# Altium PCB XMS0004.PcbDoc (part 3 of 5) (continued)
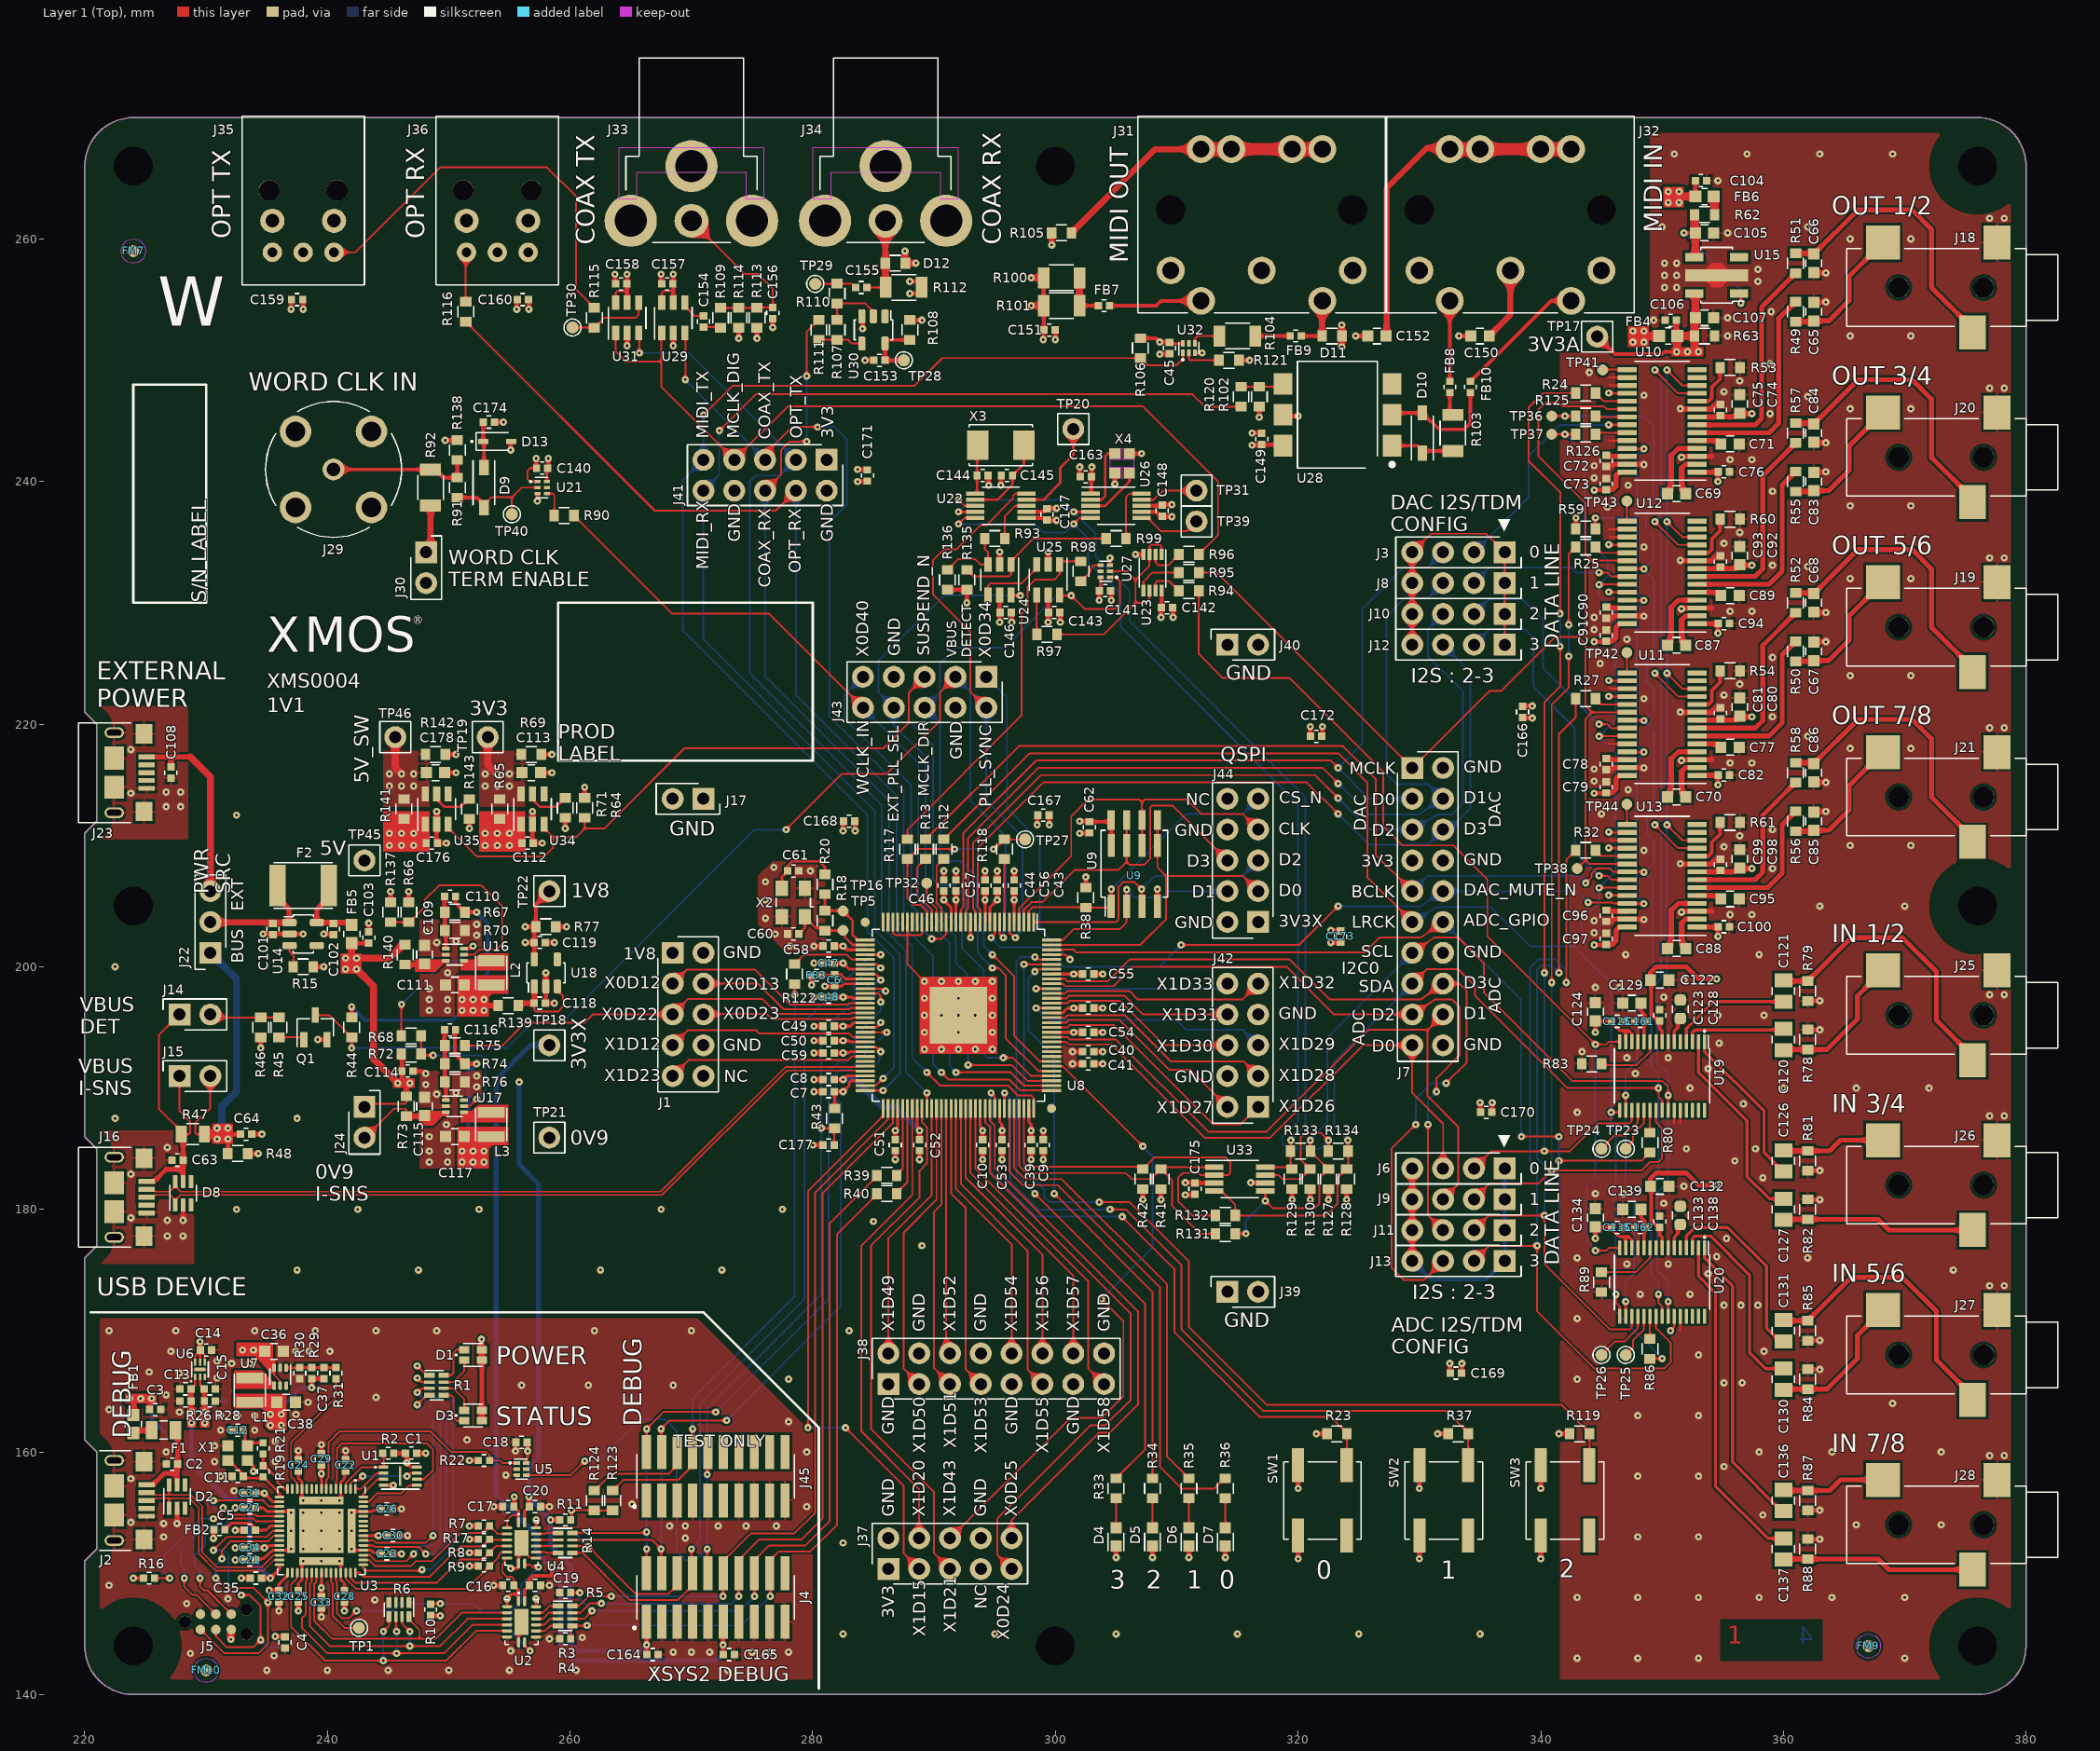
[diagram p0: Layer 1 (Top) view]
## Nets (pads, with @x,y where several pads share a name; then routed paths per layer and width w, separated by ;. In a path a pad name is that pad's centre, name@x,y a point inside that pad or via, vN(x,y) a via of type N, cw(c..) or ccw(c..) an arc to the next point about the centre after c; other vN are vias at no path point) (continued)
  Layer 1 (Top) w0.4: v1(227.6,154.1) D2.2@227.6,155.36 ; v1(228.1,179.1) D8.2@228.1,180.36 ; U18.2@258,198.38 v1(258,199.5) ; v1(299.7,259.5) 299.7,260.455 R105.1@299.745,260.5 ; C96.2@345.4,203.74 345.84,203.74 346.025,203.925 U13.27@347.12,203.925 348.375,203.925 v1@348.4,203.9 ; C78.2@345.4,216.24 345.84,216.24 346.025,216.425 U11.27@347.12,216.425 348.375,216.425 v1@348.4,216.4 ; C90.2@345.4,228.74 345.84,228.74 346.025,228.925 U12.27@347.12,228.925 348.375,228.925 v1@348.4,228.9 ; C72.2@345.4,241.24 345.84,241.24 346.025,241.425 U10.27@347.12,241.425 348.375,241.425 v1@348.4,241.4 ; v1(351.5,208.5) 351.525,208.475 U13.9@352.88,208.475 354.075,208.475 354.4,208.8 ; v1(351.5,221) 351.525,220.975 U11.9@352.88,220.975 354.075,220.975 354.4,221.3 ; v1(351.5,233.5) 351.525,233.475 U12.9@352.88,233.475 354.075,233.475 354.4,233.8 ; v1(351.5,246) 351.525,245.975 U10.9@352.88,245.975 354.075,245.975 354.4,246.3 ; v1(351.6,204.5) 351.675,204.575 U13.3@352.83,204.575 ; v1(351.6,217) 351.675,217.075 U11.3@352.83,217.075 ; v1(351.6,229.5) 351.675,229.575 U12.3@352.83,229.575 ; v1(351.6,242) 351.675,242.075 U10.3@352.83,242.075 ; U13.3@352.88,204.575 354.075,204.575 354.1,204.6 ; U11.3@352.88,217.075 354.075,217.075 354.1,217.1 ; U12.3@352.88,229.575 354.075,229.575 354.1,229.6 ; U10.3@352.88,242.075 354.075,242.075 354.1,242.1 ; C85.2@362.5,212.755 362.545,212.8 v1(363.5,212.8) ; C86.2@362.5,215.245 362.545,215.2 v1(363.5,215.2) ; C67.2@362.5,226.755 362.545,226.8 v1(363.5,226.8) ; C68.2@362.5,229.245 362.545,229.2 v1(363.5,229.2) ; C83.2@362.5,240.755 362.545,240.8 v1(363.5,240.8) ; C84.2@362.5,243.245 362.545,243.2 v1(363.5,243.2) ; C65.2@362.5,254.755 362.545,254.8 v1(363.5,254.8) ; C66.2@362.5,257.245 362.545,257.2 v1(363.5,257.2)
  Layer 1 (Top) w0.5: U35.2@249,211.745 v1(249,212.8) ; U34.2@256.9,211.745 v1(256.9,212.8) ; v1(287.6,259) 287.6,258.02 D12.1@287.62,258 v1(288.5,258) ; v1(323.6,251.1) D11.1@323.6,251.98 ; v1(323.6,252.9) 323.6,252.02 D11.1@323.62,252
  Layer 4 (Bottom) w0.3: v1@289.18,193.18 v1(289.2,193.2)
  other v1: 235,142 240,142 245,142 250,142 255,142 260.5,142 267,142 273,142 343,143 348,143 353,143 370,143 235.6,143.2 228.7,143.4 268.5,143.5 270,143.5 271.5,143.5 275,143.5 276.5,143.5 278,143.5 255.1,143.6 258.3,144.6 261,144.7 282.5,145 295,145 305,145 315,145 325,145 335,145 228.4,147.5 243.9,147.8 231.8,147.9 343,148 348,148 353,148 358,148 364,148 370,148 222,149 258.3,149 238,152 239.5,152 241,152 282.5,152.5 269.5,152.9 226.5,153 348,153 353,153 238,153.5 239.5,153.5 241,153.5 268.2,153.9 269.5,153.9 272.2,153.9 274.5,153.9 277,153.9 366,154 373,154 226.5,154.1 223.8,154.2 358.3,154.8 238,155 239.5,155 241,155 279.5,155.5 265.1,155.7 232.3,156.8 223.8,157.8 231.2,158 348,158 353,158 254.7,158.1 355.1,158.8 230.7,159.2 235.7,159.2 377,159.7 378.2,159.7 226.7,160 279.5,160 358,160 364,160 373,160 230.7,160.5 235.7,160.9 251.5,161 231.2,161.8 234,161.8 278,162.5 231.2,163 232.6,163 234,163 348,163 353,163 237.4,163.1 227.8,163.3 222,163.5 369,164 238.4,164.1 244,164.5 226.7,164.7 256,165.5 261.5,165.5 268.5,165.5 355.1,165.7 356.6,165.7 278,166 343,166 230.9,166.1 227.8,166.5 225.3,166.6 232.1,167.3 233.6,167.3 230.9,167.5 353,168 227.1,168.3 237.4,168.3 238.5,168.3 240.2,168.3 358.4,168.3 222,170 227.5,170 234,170 239,170 244,170 249,170 262,170 270,170 283,170 343,171 355.1,172.1 356.5,172.1 357.9,172.1 348.2,173 352.3,173 377,173.7 378.2,173.7 353.8,174.7 237.5,175 247.5,175 262.5,175 272.5,175 374,175 347.1,175.5 350.5,175.5 343,176 362,176 354.5,176.1 289,177 355.3,177.6 226.8,177.8 228.1,177.8 285,179 226.8,179.1 223.8,179.3 232.5,180 242.5,180 252.5,180 267.5,180 277.5,180 350.135,180.495 344.5,181.3 346.8,181.3 351.8,181.9 358.3,182.6 223.8,182.9 248.4,183.9 249.9,183.9 356,184 248.4,184.8 249.9,184.8 352,185 357.7,185 226.8,185.1 248.4,186 249.8,187 222.5,187.5 237.5,187.5 377,187.7 378.2,187.7 343,188 356.7,188.7 249,189.5 250.6,189.6 352.3,190 360,190 366,190 372,190 252.3,190.1 248.1,190.3 252.3,191 347.8,191.2 353.8,191.6 347.1,192.5 350.5,192.5 343.4,193 290.6,193.2 292,193.2 293.4,193.2 294.8,193.2 354.7,193.7 289.2,194.6 292,194.6 294.8,194.6 289.2,196 290.6,196 292,196 293.4,196 294.8,196 354.6,196 358.4,196 248.4,196.4 249.9,196.4 248.4,197.3 249.9,197.3 289.2,197.4 292,197.4 294.8,197.4 350.135,197.495 377,197.7 378.2,197.7 248.4,198.2 344.5,198.3 346.5,198.3 290.6,198.8 292,198.8 293.4,198.8 294.8,198.8 351.8,198.9 249.9,199.5 222.5,200 347,201 358,201 278.1,201.7 249,202 250.6,202.1 252.3,202.6 276.9,202.7 344.4,202.8 248.1,202.9 252.3,203.5 344.4,203.8 348.5,203.9 276.1,204 355.6,204.3 357.4,204.3 363,205 370,205 276.1,205.5 276.1,207 279.8,207.9 359.1,208.1 276.8,208.2 348.5,209.6 355.1,209.9 365.5,210 370.5,210 356.4,210.8 359.1,211.3 232.5,212.5 345,212.6 226.7,213.2 227.9,213.2 223.8,214.3 226.7,214.4 227.9,214.4 347.2,214.6 344.4,215.3 344.4,216.3 348.5,216.4 355.6,216.8 357.4,216.8 223.8,217.9 365.5,218 370.5,218 362,219 377,219.7 378.2,219.7 359.1,220.6 348.5,222.1 355.1,222.4 356.4,223.3 365.5,224 370.5,224 344.9,225 359.1,225.5 347.1,227 344.4,227.8 344.4,228.8 348.5,228.9 355.6,229.3 357.4,229.3 365.5,232 370.5,232 362,233 359.1,233.1 377,233.7 378.2,233.7 348.5,234.6 355.1,234.9 356.4,235.8 345.5,237.9 365.5,238 370.5,238 359.1,239.2 347.2,239.7 344.4,240.3 344.4,241.3 348.5,241.4 355.6,241.8 357.4,241.8 358.9,245.6 365.5,246 370.5,246 362,247 348.5,247.1 355.1,247.4 377,247.7 378.2,247.7 356.4,248.3 344,249 358.9,249.7 355.4,252 365.5,252 370.5,252 349.3,253.3 355.4,253.5 359,254 350.2,256 351.2,256 357.9,256.5 350.2,257 351.2,257 357.9,257.5 350.2,258 351.2,258 365.5,260 370.5,260 355.4,260.5 350,261 362,261 377,261.7 378.2,261.7 354.6,264.8 351,267 357,267 363,267 369,267
I2C0_SCL: J7.13 R127.1 R131.1 R133.2 U10.12 U11.12 U12.12 U13.12 U19.24 U20.24 U33.5 | length 156.4
  Layer 1 (Top) w0.15: R131.1@314.82,178 v1(315.7,178) ; U33.5@317.305,181.525 317.3,181.52 v1(317.3,180.7) 317.9,180.1 321.4,180.1 321.75,180.45 321.75,182.57 R127.1@322.5,183.32 R133.2@321.02,184.8 321,184.82 v1(321,185.7) ; J7.13@329.41,201.15 331.2,202.4 333.2,202.4 335.3,200.3 335.3,197.9 342.6,190.6 350,190.6 350.5,190.1 v1(350.5,189.4) U19.24@350.5,188.18 ; v1(350.4,211.7) 351.675,210.425 U13.12@352.88,210.425 ; v1(350.4,224.2) 351.675,222.925 U11.12@352.88,222.925 ; v1(350.4,236.7) 351.675,235.425 U12.12@352.88,235.425 ; v1(350.4,249.2) 351.675,247.925 U10.12@352.88,247.925 ; U20.24@350.5,171.18 v1(350.5,172.4)
  Layer 4 (Bottom) w0.15: v1(315.7,178) 315.7,179.1 v1(317.3,180.7) ; v1(321,185.7) 321,185.8 322.4,187.2 322.4,194.14 J7.13@329.41,201.15 ; v1(350.4,249.2) v1(350.4,236.7) v1(350.4,224.2) v1(350.4,211.7) 350.4,198.7 349.6,197.9 349.6,192.1 350.5,191.2 v1(350.5,189.4) 350.5,182.3 349.6,181.4 349.6,175 350.5,174.1 v1(350.5,172.4)
I2C0_SDA: J7.15 R128.1 R132.1 R134.2 U10.11 U11.11 U12.11 U13.11 U19.23 U20.23 U33.4 | length 158.6
  Layer 1 (Top) w0.15: U33.4@313.095,181.525 313.675,181.525 314.82,180.38 R132.1@314.82,179.5 322.3,179.5 323.25,180.45 323.25,182.57 R128.1@324,183.32 324.12,183.44 R134.2@324.12,184.8 324.1,184.82 v1(324.1,185.7) ; J7.15@329.41,198.61 330.6,199.8 333.2,199.8 334.6,198.4 334.6,197.6 342.2,190 v1(349.7,190) 349.7,189.3 350,189 U19.23@350,188.18 ; v1(349.4,211.7) 351.325,209.775 U13.11@352.88,209.775 ; v1(349.4,224.2) 351.325,222.275 U11.11@352.88,222.275 ; v1(349.4,236.7) 351.325,234.775 U12.11@352.88,234.775 ; v1(349.4,249.2) 351.325,247.275 U10.11@352.88,247.275 ; v1(349.7,173) 349.7,172.3 350,172 U20.23@350,171.18
  Layer 4 (Bottom) w0.15: v1(324.1,185.7) 323,186.8 323,192.2 J7.15@329.41,198.61 ; v1(349.4,249.2) 349.9,248.7 349.9,237.2 v1(349.4,236.7) 349.9,236.2 349.9,224.7 v1(349.4,224.2) 349.9,223.7 349.9,212.2 v1(349.4,211.7) 349.9,211.2 349.9,198.98 349.1,198.18 349.1,191.7 349.7,191.1 v1(349.7,190) 349.7,182.5 349.1,181.9 349.1,174.6 349.7,174 v1(349.7,173)
I2C1_SCL: R129.1 R133.1 U22.9 U26.4 U33.8 | length 77.9
  Layer 1 (Top) w0.15: v1(292,237.5) U22.9@293.395,237.5 ; v1(301.5,237.5) U26.4@302.895,237.5 ; U33.8@317.305,183.475 319.345,183.475 R129.1@319.38,183.44 ; v1(319.4,185.7) 319.4,184.82 R133.1@319.38,184.8 R129.1@319.38,183.44 ; R129.1@319.5,183.32 R129.1@319.38,183.44
  Layer 4 (Bottom) w0.15: v1(292,237.5) 293,238.5 300.5,238.5 v1(301.5,237.5) 303.3,235.7 303.3,233.8 306.1,231 306.1,228.5 320.6,214 320.6,186.9 v1(319.4,185.7)
I2C1_SDA: R130.1 R134.1 U22.10 U26.5 U33.7 | length 87.5
  Layer 1 (Top) w0.15: v1(292,236.5) 292.5,237 U22.10@293.395,237 ; v1(301.5,236.5) 302,237 U26.5@302.895,237 ; U33.7@317.305,182.825 318.375,182.825 318.7,182.5 320.18,182.5 R130.1@321,183.32 320.2,184.12 320.2,185.9 320.6,186.3 321.9,186.3 v1(322.5,185.7) 322.5,184.82 R134.1@322.48,184.8
  Layer 4 (Bottom) w0.15: v1(292,236.5) 298.3,236.5 299,235.8 300.8,235.8 v1(301.5,236.5) 302.7,235.3 302.7,233.4 305.4,230.7 305.4,228 320,213.4 320,187.3 318.7,186 318.7,185.4 319.1,185 321.8,185 v1(322.5,185.7)
I2C_SCL: R41.1 R131.2 U8.93 U33.1 | length 29.6
  Layer 1 (Top) w0.15: U8.93@297,188.32 297,183.6 297.6,183 305.8,183 306.3,182.5 307.88,182.5 R41.1@308.7,183.32 ; U33.1@313.095,183.475 308.855,183.475 R41.1@308.7,183.32 ; R131.2@313.18,178 311.9,178 309.6,180.3 309.6,182.42 R41.1@308.7,183.32
I2C_SDA: R42.1 R132.2 U8.94 U33.2 | length 33.3
  Layer 1 (Top) w0.15: U8.94@297.4,188.32 297.4,183.8 297.7,183.5 307.02,183.5 R42.1@307.2,183.32 308.18,184.3 314,184.3 314.4,183.9 314.4,183 314.225,182.825 U33.2@313.095,182.825 311.975,182.825 311.8,183 310.5,183 310.1,182.6 310.1,180.7 311.3,179.5 R132.2@313.18,179.5
I2S_DAC_LOOP_D0: R24.1 U10.19 | length 2.9
  Layer 1 (Top) w0.15: R24.1@344.52,247.3 345.195,246.625 U10.19@347.12,246.625
I2S_DAC_LOOP_D1: R25.1 U12.19 | length 2.8
  Layer 1 (Top) w0.15: R25.1@344.52,234.6 344.995,234.125 U12.19@347.12,234.125
I2S_DAC_LOOP_D2: R27.1 U11.19 | length 2.8
  Layer 1 (Top) w0.15: R27.1@344.52,222.1 344.995,221.625 U11.19@347.12,221.625
I2S_DAC_LOOP_D3: R32.1 U13.19 | length 2.8
  Layer 1 (Top) w0.15: R32.1@344.52,209.6 344.995,209.125 U13.19@347.12,209.125
LED_0: R36.2 U8.91 | length 42.8
  Layer 1 (Top) w0.15: U8.91@296.2,188.32 296.2,183.1 297.3,182 300.2,182 308.6,173.6 308.6,158.8 310.409,156.991 313.101,156.991 313.93,157.82 R36.2@314,157.82
LED_1: R35.2 U8.92 | length 38.2
  Layer 1 (Top) w0.15: U8.92@296.6,188.32 296.6,183.4 297.5,182.5 300.5,182.5 309.2,173.8 309.2,159.62 R35.2@311,157.82
LED_2: R34.2 U8.122 | length 47.7
  Layer 1 (Top) w0.15: v1(298.3,199.6) 298.413,199.6 298.613,199.8 U8.122@299.68,199.8 ; v1(299.9,181.3) 308,173.2 R34.2@308,157.82
  Layer 4 (Bottom) w0.15: v1(298.3,199.6) 297.8,199.1 297.8,194.7 299.9,192.6 v1(299.9,181.3)
LED_3: R33.2 U8.124 | length 51.2
  Layer 1 (Top) w0.15: v1(298.3,181.3) 307.4,172.2 307.4,160.22 R33.2@305,157.82 ; v1(298.3,200.8) 298.413,200.8 298.613,200.6 U8.124@299.68,200.6
  Layer 4 (Bottom) w0.15: v1(298.3,181.3) 296.8,182.8 296.8,200.5 297.1,200.8 v1(298.3,200.8)
LED_A_GRN: R1.2 U3.50 | length 23.3
  Layer 1 (Top) w0.15: U3.50@242.955,152.3 243.75,152.3 243.875,152.175 247.525,152.175 v1(248.1,151.6) ; v1(247.4,166.1) 247.75,165.75 R1.2@248.42,165.75
  Layer 4 (Bottom) w0.15: v1(247.4,166.1) 249.8,163.7 249.8,152.5 248.9,151.6 v1(248.1,151.6)
LED_A_RED: R1.1 U3.46 | length 26.1
  Layer 1 (Top) w0.15: U3.46@242.955,150.7 242.955,150.345 243.1,150.2 247.7,150.2 v1(247.8,150.3) ; v1(247.4,167.1) 248.175,166.325 R1.1@248.42,166.325
  Layer 4 (Bottom) w0.15: v1(247.4,167.1) 250.3,164.2 250.3,152.1 248.5,150.3 v1(247.8,150.3)
LED_B_GRN: R1.4 U3.51 | length 18.7
  Layer 1 (Top) w0.15: U3.51@242.955,152.7 243.8,152.7 243.975,152.525 248.125,152.525 v1(248.7,153.1) ; v1(247.4,163.9) 248.175,164.675 R1.4@248.42,164.675
  Layer 4 (Bottom) w0.15: v1(247.4,163.9) 248.7,162.6 v1(248.7,153.1)
LED_B_RED: R1.3 U3.48 | length 21.3
  Layer 1 (Top) w0.15: U3.48@242.955,151.5 243.5,151.5 244,151 246.5,151 v1(247.1,151.6) ; v1(247.4,164.9) 247.75,165.25 R1.3@248.42,165.25
  Layer 4 (Bottom) w0.15: v1(247.1,151.6) 247.8,152.3 248.8,152.3 249.3,152.8 249.3,163 v1(247.4,164.9)
LRCK: J7.11 R12.2 R126.1 TP37.1 U11.23 U12.23 U13.23 U19.16 U20.16 | length 155.8
  Layer 1 (Top) w0.15: R12.2@290.8,210.52 297.88,217.6 323.3,217.6 325.7,215.2 325.7,207.4 J7.11@329.41,203.69 ; TP37.1@340.9,243.9 v1(342,243.9) R126.1@342.88,243.9 ; v1(344.8,206.5) 344.825,206.525 U13.23@347.12,206.525 ; v1(344.8,219) 344.825,219.025 U11.23@347.12,219.025 ; v1(344.8,231.5) 344.825,231.525 U12.23@347.12,231.525 ; v1(345.8,188) 346.32,188 U19.16@346.5,188.18 ; v1(346.2,173) 346.2,172.3 346.5,172 U20.16@346.5,171.18
  Layer 4 (Bottom) w0.15: J7.11@329.41,203.69 331.4,204.9 335.9,204.9 339.1,201.7 342.7,201.7 ; v1(342,243.9) 343.6,242.3 343.6,235.4 345.532,233.468 345.532,232.232 v1(344.8,231.5) 344.8,230.6 346.2,229.2 346.2,220.4 v1(344.8,219) 346.2,217.6 346.2,207.9 v1(344.8,206.5) 344.8,205.2 343.4,203.8 343.4,202.4 342.7,201.7 ; v1(346.2,173) 346.2,186.3 345.8,186.7 v1(345.8,188) 345.8,198.6 343.4,201 342.7,201.7
MCLK_ADC: R94.2 U19.15 U20.15 | length 78.7
  Layer 1 (Top) w0.15: R94.2@312.1,231 R94.2@311.82,231 311.82,225.78 313.8,223.8 319.3,223.8 327,216.1 327,211.6 328.6,210 332.8,210 335.6,207.2 335.6,202.5 v1(344.5,193.6) 345.4,193.6 345.62,193.82 U19.15@346.5,193.82 ; v1(344.5,176.6) 345.4,176.6 345.62,176.82 U20.15@346.5,176.82
  Layer 4 (Bottom) w0.15: v1(344.5,176.6) 343.8,177.3 343.8,181.9 344.5,182.6 v1(344.5,193.6)
MCLK_DAC: J7.1 R95.2 TP38.1 U10.20 U11.20 U12.20 U13.20 | length 100.6
  Layer 1 (Top) w0.15: R95.2@311.82,232.5 313.3,232.5 J7.1@329.41,216.39 335.74,222.72 336.72,222.72 341.2,227.2 343.1,227.2 ; TP38.1@343,208.1 343.7,208.8 ; U13.20@347.12,208.475 344.025,208.475 343.7,208.8 ; U11.20@347.12,220.975 344.225,220.975 ; U12.20@347.12,233.475 344.225,233.475 344.2,233.5 ; U10.20@347.12,245.975 345.425,245.975 345.2,246.2 341.8,246.2 341.5,246.5 340.4,246.5 339.8,245.9 339.8,242.1 343.7,238.2 343.7,234 344.2,233.5 ; 343.1,227.2 343.7,227.8 343.7,233 344.2,233.5 ; 343.1,227.2 343.7,226.6 343.7,221.5 344.225,220.975 ; 343.7,208.8 343.7,220.45 344.225,220.975
MCLK_DIG: J41.7 R96.2 U29.1 U31.1 | length 69.5
  Layer 1 (Top) w0.15: U31.1@263.75,252.245 263.75,250.75 264.6,249.9 267.5,249.9 ; U29.1@267.55,252.245 267.5,252.195 267.5,249.9 ; R96.2@311.82,234 313.4,235.58 313.4,240 307.2,246.2 277.94,246.2 J41.7@273.53,241.79 267.5,247.82 267.5,249.9
MCLK_DIR: J43.6 U8.103 U25.6 U27.1 | length 60.3
  Layer 1 (Top) w0.15: v1(294.8,201) 296.6,199.2 296.6,194.3 298.7,192.2 U8.103@299.68,192.2 ; U25.6@300.35,230.645 300.395,230.6 v1(301.3,230.6) 302.4,229.5 304.9,229.5 305.3,229.9 305.3,231.8 305,232.1 U27.1@304.485,232.1
  Layer 4 (Bottom) w0.15: v1(294.8,201) 294.1,201.7 294.1,203.9 293.5,204.5 293.5,207.4 292.2,208.7 291.3,208.7 290.5,209.5 290.5,220.08 J43.6@289.22,221.36 290.5,222.64 290.5,225 291.8,226.3 295.8,226.3 300.1,230.6 v1(301.3,230.6)
MCLK_X_PIN: R117.1 R118.1 TP27.1 U8.23 | length 16.6
  Layer 1 (Top) w0.15: U8.23@289.4,203.68 289.4,204.6 288.9,205.1 288.3,205.1 287.8,205.6 R117.1@287.8,208.88 288.62,209.7 v1(291.7,209.7) ; v1(294.9,209.7) 295,209.7 295.8,210.5 TP27.1@297.5,210.5
  Layer 4 (Bottom) w0.15: v1(291.7,209.7) v1(294.9,209.7)
MCLK_XMOS: R98.2 R117.2 U25.1 | length 30.7
  Layer 1 (Top) w0.15: R117.2@287.8,210.52 287.8,211.3 297.2,220.7 297.2,229.1 297.7,229.6 297.7,231.3 298.3,231.9 299.9,231.9 300.35,232.35 U25.1@300.35,233.155 300.615,233.42 R98.2@302.1,233.42 R98.2@302.045,233.365
MIDI_RX: J41.10 R120.2 U8.64 | length 108.4
  Layer 1 (Top) w0.15: v1(272.3,244.2) 275.3,247.2 311.3,247.2 312.32,246.18 R120.2@315.3,246.18 ; U8.64@284.32,189.8 v1(285.8,189.8)
  Layer 4 (Bottom) w0.15: v1(272.3,244.2) 272.3,240.56 J41.10@270.99,239.25 270.99,227.01 285.1,212.9 285.1,203.1 287.2,201 287.2,191.2 v1(285.8,189.8)
MIDI_TX: J41.9 R106.1 U8.63 U32.1 | length 107.1
  Layer 1 (Top) w0.15: v1(271,245.5) 273.4,247.9 288.4,247.9 290.68,250.18 R106.1@307,250.18 307.58,249.6 310,249.6 310.5,250.1 U32.1@310.5,250.615 ; U8.63@284.32,190.2 284.339,190.219 285.219,190.219 v1(285.8,190.8)
  Layer 4 (Bottom) w0.15: v1(271,245.5) 270.99,245.49 J41.9@270.99,241.79 269.3,240.1 269.3,227.7 284.5,212.5 284.5,202.9 286.7,200.7 286.7,191.7 v1(285.8,190.8)
NetC5_1: C5.1 FB2.1 U3.22 | length 5.2
  Layer 1 (Top) w0.23: FB2.1@231.555,153.6 232.105,154.15 233.6,154.15 234.06,153.69 C5.1@234.06,153.55 234.95,153.55 235.3,153.9 U3.22@236.045,153.9
NetC6_1: C6.1 FB3.1 U8.41 | length 3.7
  Layer 1 (Top) w0.2: FB3.1@280.755,199.3 281.74,199.3 C6.1@281.8,199.36 282.34,199.36 282.7,199 U8.41@284.32,199
NetC11_1: C11.1 R19.1 U3.16 X1.1 | length 5.7
  Layer 1 (Top) w0.2: X1.1@231.795,159.295 231.905,159.295 233.06,158.14 C11.1@233.06,158 233.21,157.85 234.7,157.85 R19.1@234.7,157.945 ; R19.1@234.8,157.85 236.045,156.605 U3.16@236.045,156.3
NetC12_1: C12.1 R21.1 X1.3 | length 2.8
  Layer 1 (Top) w0.2: C12.1@233.06,161.8 233.2,161.66 233.2,160.71 X1.3@233.405,160.505 233.655,160.755 R21.1@234.7,160.755
NetC37_2: C37.2 R29.1 R30.2 R31.2 U7.1 | length 4.1
  Layer 1 (Top) w0.2: U7.1@236.6,166.935 237.68,166.935 R30.2@237.7,166.955 R29.1@238.7,166.955 239.695,166.955 C37.2@239.7,166.96 239.705,166.955 R31.2@240.7,166.955
NetC60_1: C60.1 R18.1 TP5.1 U8.34 X2.1 | length 7.9
  Layer 1 (Top) w0.15: TP5.1@282.48,202.98 TP5.1@282.5,203 TP5.1@282.627,202.873
  Layer 1 (Top) w0.2: C60.1@278.88,202.68 C60.1@278.86,202.7 279.345,203.185 X2.1@279.345,204.13 280.275,203.2 280.78,203.2 R18.1@281,202.98 TP5.1@282.48,202.98 ; TP5.1@282.627,202.873 282.627,202.473 283.3,201.8 U8.34@284.32,201.8
NetC61_1: C61.1 R20.1 X2.3 | length 6.1
  Layer 1 (Top) w0.15: R20.1@280.98,207.6 R20.1@281,207.62
  Layer 1 (Top) w0.2: X2.3@277.455,206.47 277.455,207.415 C61.1@277.94,207.9 277.94,208.34 278.3,208.7 280.5,208.7 281,208.2 R20.1@281,207.62
NetC69_1: C69.1 U10.2 | length 3.7
  Layer 1 (Top) w0.4: 351.6,241.1 351.925,241.425 U10.2@352.88,241.425
  Layer 1 (Top) w0.5: 351.6,241.1 351.6,239.355 C69.1@351.955,239
NetC69_2: C69.2 U10.4 | length 5.6
  Layer 1 (Top) w0.4: 350.745,242.145 351.325,242.725 U10.4@352.88,242.725
  Layer 1 (Top) w0.5: C69.2@350.445,239 350.745,239.3 350.745,242.145
NetC70_1: C70.1 U11.2 | length 3.7
  Layer 1 (Top) w0.4: 351.6,216.1 351.925,216.425 U11.2@352.88,216.425
  Layer 1 (Top) w0.5: 351.6,216.1 351.6,214.355 C70.1@351.955,214
NetC70_2: C70.2 U11.4 | length 5.6
  Layer 1 (Top) w0.4: 350.745,217.145 351.325,217.725 U11.4@352.88,217.725
  Layer 1 (Top) w0.5: C70.2@350.445,214 350.745,214.3 350.745,217.145
NetC71_1: C71.1 U10.5 | length 2.1
  Layer 1 (Top) w0.4: U10.5@352.88,243.375 354.57,243.375 C71.1@354.845,243.1
NetC72_1: C72.1 U10.26 | length 1.8
  Layer 1 (Top) w0.4: C72.1@345.4,242.16 345.485,242.075 U10.26@347.12,242.075
NetC77_1: C77.1 U11.5 | length 2.1
  Layer 1 (Top) w0.4: U11.5@352.88,218.375 354.57,218.375 C77.1@354.845,218.1
NetC78_1: C78.1 U11.26 | length 1.6
  Layer 1 (Top) w0.4: C78.1@345.485,217.075 U11.26@347.12,217.075
NetC87_1: C87.1 U12.2 | length 3.7
  Layer 1 (Top) w0.4: 351.6,228.6 351.925,228.925 U12.2@352.88,228.925
  Layer 1 (Top) w0.5: 351.6,228.6 351.6,226.855 C87.1@351.955,226.5
NetC87_2: C87.2 U12.4 | length 5.6
  Layer 1 (Top) w0.4: 350.745,229.645 351.325,230.225 U12.4@352.88,230.225
  Layer 1 (Top) w0.5: C87.2@350.445,226.5 350.745,226.8 350.745,229.645
NetC88_1: C88.1 U13.2 | length 3.7
  Layer 1 (Top) w0.4: 351.6,203.6 351.925,203.925 U13.2@352.88,203.925
  Layer 1 (Top) w0.5: 351.6,203.6 351.6,201.855 C88.1@351.955,201.5
NetC88_2: C88.2 U13.4 | length 5.6
  Layer 1 (Top) w0.4: 350.745,204.645 351.325,205.225 U13.4@352.88,205.225
  Layer 1 (Top) w0.5: C88.2@350.445,201.5 350.745,201.8 350.745,204.645
NetC89_1: C89.1 U12.5 | length 2.1
  Layer 1 (Top) w0.4: U12.5@352.88,230.875 354.57,230.875 C89.1@354.845,230.6
NetC90_1: C90.1 U12.26 | length 1.8
  Layer 1 (Top) w0.4: C90.1@345.4,229.66 345.485,229.575 U12.26@347.12,229.575
NetC95_1: C95.1 U13.5 | length 2.1
  Layer 1 (Top) w0.4: U13.5@352.88,205.875 354.57,205.875 C95.1@354.845,205.6
NetC96_1: C96.1 U13.26 | length 1.8
  Layer 1 (Top) w0.4: C96.1@345.4,204.66 345.485,204.575 U13.26@347.12,204.575
NetC101_1: C101.1 F2.1 J22.2 U14.1 | length 9.9
  Layer 1 (Top) w0.4: J22.2@230.35,203.69 J22.2@230.39,203.65 ; F2.1@235.9,206.7 235.9,205.7 236.84,204.76 U14.1@236.84,203.69
  Layer 1 (Top) w0.5: J22.2@230.39,203.65 U14.1@236.88,203.65
NetC102_1: C102.1 F2.2 FB5.1 U14.5 | length 6.4
  Layer 1 (Top) w0.4: F2.2@240.1,206.7 240.1,205.7 239.12,204.72 U14.5@239.12,203.65 240.5,203.65 241.785,203.65 FB5.1@242,203.435
NetC105_1: C105.1 R62.2 U15.1 U15.4 | length 13.1
  Layer 1 (Top) w0.15: v1(351.8,260.5) C105.1@352.745,260.5 ; U15.1@356.35,255.5 356.5,255.35 v1(356.5,254.7)
  Layer 1 (Top) w0.6: R62.2@352.68,262 352.68,260.565 C105.1@352.745,260.5 352.745,258.605 U15.4@352.85,258.5
  Layer 4 (Bottom) w0.15: v1(351.8,260.5) 356.5,255.8 v1(356.5,254.7)
NetC108_1: C108.1 J22.3 J23.1 | length 16.2
  Layer 1 (Top) w0.4: J23.1@225.1,217.3 227,217.3 ; C108.1@227.1,216.46 227.1,217.2 227,217.3 ; 228.7,217.3 227,217.3
  Layer 1 (Top) w0.6: 228.7,217.3 230.35,215.65 J22.3@230.35,206.23
NetC109_1: C109.1 R140.1 U16.3 | length 1.6
  Layer 1 (Top) w0.4: R140.1@246.4,200.18 247.935,200.18 C109.1@248,200.245
NetC110_2: C110.2 R67.1 R70.2 U16.1 | length 4.2
  Layer 1 (Top) w0.3: C110.2@249.64,205.8 249.64,204.54 R67.1@249.68,204.5 R70.2@249.68,203 ; U16.1@249.765,201.5 R70.2@249.765,202.915
NetC115_1: C115.1 J24.2 R73.2 U17.3 | length 6.5
  Layer 1 (Top) w0.15: J24.2@243.05,185.91 243.11,185.91 245.5,188.3 246.4,188.3 246.5,188.2 R73.2@246.5,187.68
  Layer 1 (Top) w0.4: R73.2@246.5,187.68 247.935,187.68 C115.1@248,187.745
NetC116_2: C116.2 R74.1 R75.2 R76.2 U17.1 | length 5.9
  Layer 1 (Top) w0.3: C116.2@249.64,194.8 249.64,193.54 R75.2@249.68,193.5 R74.1@249.68,192 R76.2@249.68,190.5 249.765,190.415 U17.1@249.765,189
NetC118_1: C118.1 R139.2 U18.1 U18.3 | length 7.8
  Layer 1 (Top) w0.15: C118.1@257.04,197 257.04,196.46 257.2,196.3 259,196.3 259.4,196.7 259.4,197.6 258.95,198.05 U18.3@258.95,198.38
  Layer 1 (Top) w0.4: R139.2@255.72,196.8 255.92,197 C118.1@257.04,197 257.05,197.01 U18.1@257.05,198.38
NetC120_2: C120.2 U19.3 | length 8.4
  Layer 1 (Top) w0.25: U19.3@352.5,193.82 352.5,194.6 352.7,194.8 359.925,194.8 C120.2@360,194.875
NetC121_2: C121.2 U19.4 | length 10
  Layer 1 (Top) w0.25: U19.4@352,193.82 352,194.9 352.6,195.5 354.225,197.125 C121.2@360,197.125
NetC126_2: C126.2 U19.1 | length 13.4
  Layer 1 (Top) w0.25: U19.1@353.5,193.82 353.5,193 358.4,188.1 358.4,184.675 359.975,183.1 C126.2@360,183.125